# Allegro board 1140022-KU060_PCIE_FIBER_BOARD_V001_pcb166_20240120_1835_pcb.brd (continued)
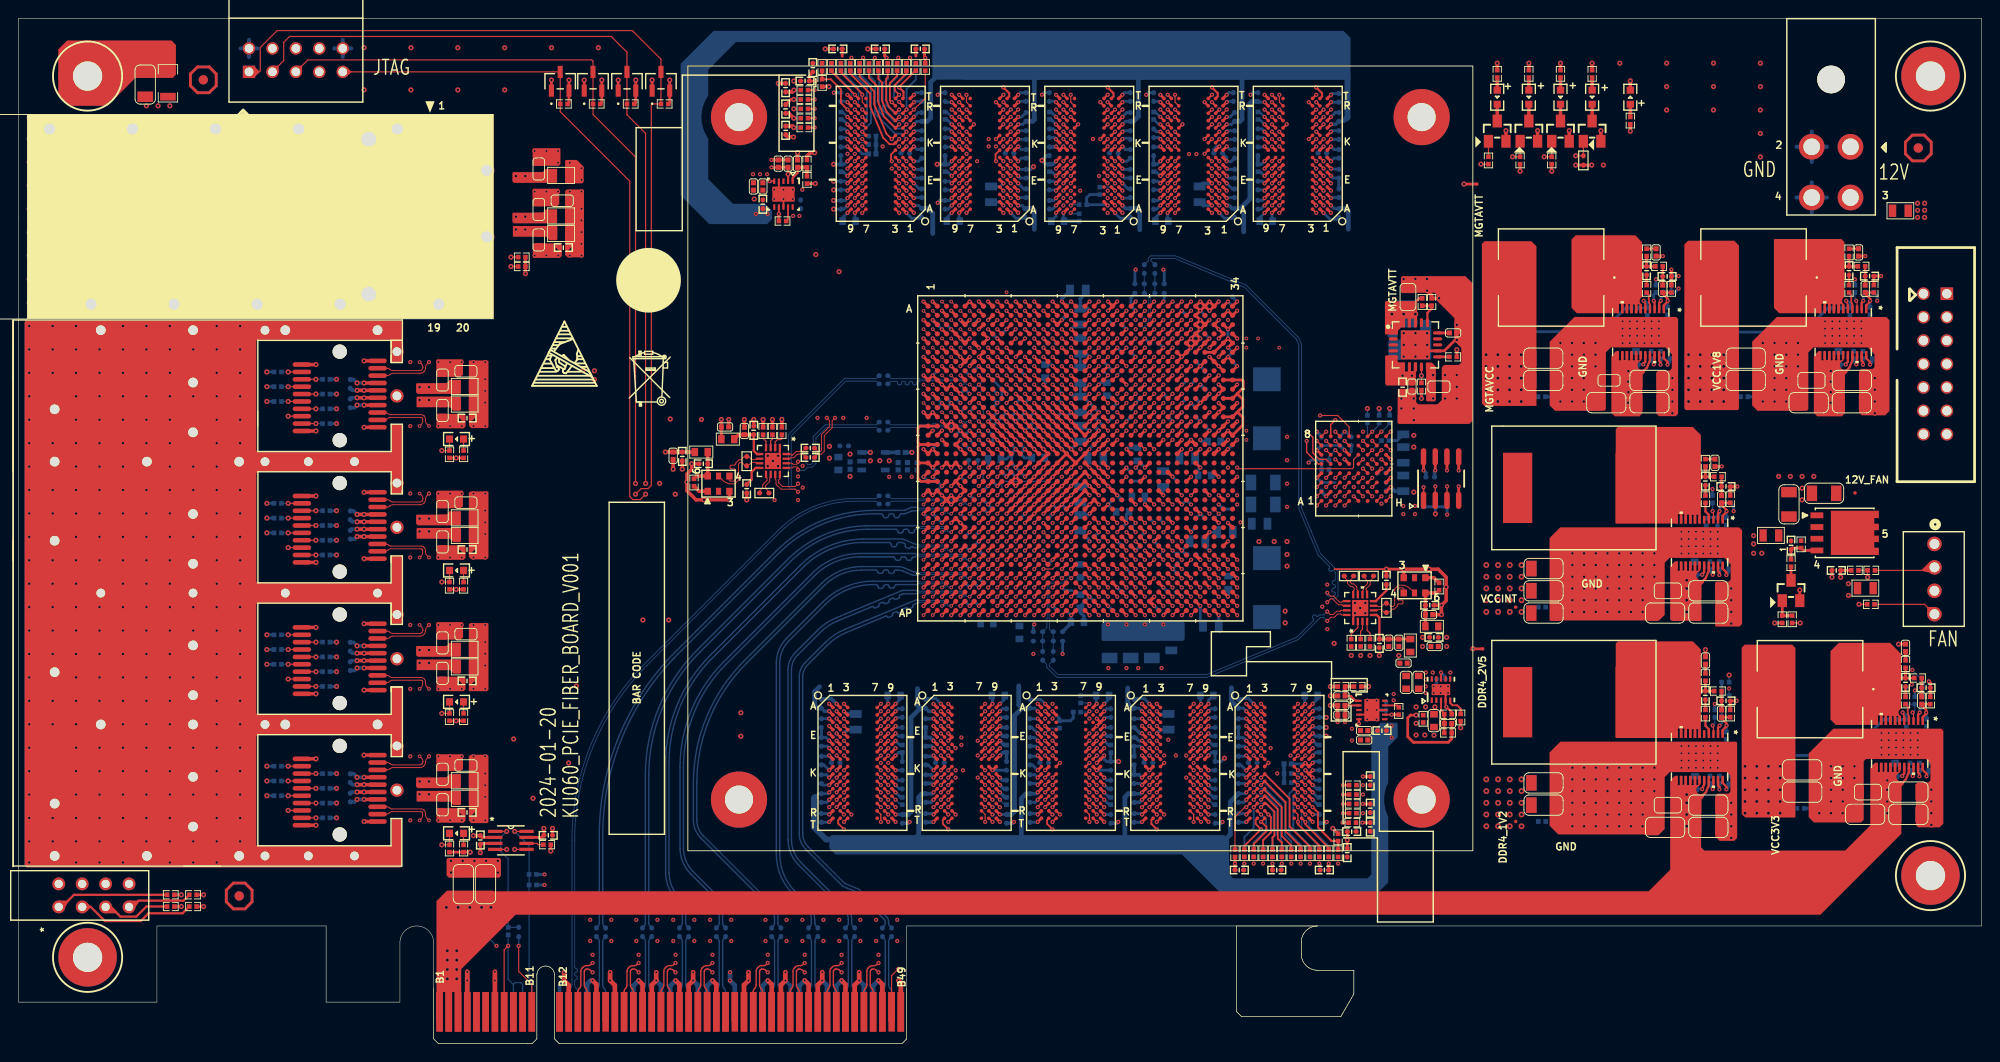
[diagram p0: board, top side]
## Routing (per net, layer and track width the routed paths; a pad name or vN(x,y) marks a point on that pad's centre or on a via; arc(x,y) is an arc through that point) (continued)
CHA_FPGA_DDR4_C2_D57: length 21.2
  TOP w0.201: U1.B11 v1(108.11,79.45) ; U13.B8 v1(101.97,90.87)
  ART05 w0.137: v1(108.11,79.45) 108.45,79.45 108.58,79.59 108.58,83.01 108.41,83.18 108.22,83.18 107.94,82.9 107.75,82.9 107.55,83.1 107.55,83.29 107.83,83.57 107.83,83.76 107.64,83.96 107.44,83.96 107.17,83.68 106.95,83.68 106.67,83.96 106.67,84.16 106.94,84.43 106.94,84.62 106.75,84.82 106.55,84.82 106.28,84.54 106.08,84.54 103.89,86.74 103.89,89.96 103.75,90.1 103.36,90.1 103.23,90.24 103.23,90.51 103.36,90.65 103.75,90.65 103.89,90.79 103.89,91.06 103.67,91.27 102.4,91.27 102,90.87 v1(101.97,90.87)
CHA_FPGA_DDR4_C2_D58: length 21.3
  TOP w0.201: U1.C12 v1(109.11,78.45) ; U13.C3 v1(106.77,91.67)
  ART05 w0.137: v1(106.77,91.67) 106.17,91.07 106.17,89.66 106.9,88.94 107.09,88.94 107.24,89.09 107.43,89.09 107.63,88.89 107.63,88.7 107.48,88.55 107.48,88.36 107.67,88.16 107.87,88.16 108.02,88.31 108.21,88.31 108.4,88.12 108.4,87.92 108.25,87.77 108.25,87.58 108.45,87.39 108.64,87.39 108.79,87.53 108.99,87.53 109.18,87.34 109.18,87.15 109.03,87 109.03,86.8 109.22,86.61 109.42,86.61 109.57,86.76 109.76,86.76 109.96,86.56 109.96,86.37 109.81,86.22 109.81,86.03 110,85.83 110.19,85.83 110.34,85.98 110.54,85.98 110.73,85.79 110.73,85.59 110.58,85.45 110.58,85.25 111.15,84.68 111.15,80.29 110.62,79.76 110.62,79.25 110.36,78.99 109.86,78.99 109.31,78.45 v1(109.11,78.45)
CHA_FPGA_DDR4_C2_D59: length 20.3
  TOP w0.201: U1.A12 v1(109.11,80.45) ; U13.C7 v1(102.77,91.67)
  ART05 w0.137: v1(109.11,80.45) 109.11,83.09 108.52,83.68 108.52,83.87 108.89,84.24 108.89,84.43 108.7,84.62 108.5,84.62 108.14,84.26 107.94,84.26 107.6,84.6 107.6,84.8 107.89,85.09 107.89,85.28 107.69,85.48 107.5,85.48 107.21,85.19 107.02,85.19 106.82,85.38 106.82,85.57 107.11,85.86 107.11,86.06 106.92,86.25 106.72,86.25 105.95,85.48 105.76,85.48 104.32,86.92 104.32,91.53 104.18,91.67 v1(102.77,91.67)
CHA_FPGA_DDR4_C2_D60: length 22.3
  TOP w0.127: U1.D13 v1(110.11,77.45)
  TOP w0.201: U13.C2 v1(107.57,91.67)
  ART05 w0.137: v1(110.11,77.45) 110.11,77.47 111,78.36 111.35,78.36 111.94,78.94 112.34,78.94 112.61,79.21 112.61,81.35 112.75,81.49 112.92,81.49 113.06,81.62 113.06,81.9 112.92,82.03 112.75,82.03 112.61,82.17 112.61,82.45 112.75,82.58 112.92,82.58 113.06,82.72 113.06,82.99 112.92,83.13 112.75,83.13 112.61,83.27 112.61,83.99 110.31,89.55 109.94,89.92 109.74,89.92 109.02,89.19 108.83,89.19 108.63,89.39 108.63,89.58 109.36,90.31 109.36,90.5 108.58,91.27 108.07,91.27 107.67,91.67 v1(107.57,91.67)
CHA_FPGA_DDR4_C2_D61: length 20.6
  TOP w0.201: v1(109.11,79.45) U1.B12 ; U13.C8 v1(101.97,91.67)
  ART05 w0.137: v1(101.97,91.67) 102.37,92.07 104.47,92.07 104.74,91.8 104.74,87.1 105.73,86.11 105.93,86.11 106.53,86.72 107.21,86.72 109.6,84.33 109.6,80.14 109.11,79.64 v1(109.11,79.45)
CHA_FPGA_DDR4_C2_D62: length 21.9
  TOP w0.201: U1.C11 v1(108.11,78.45) ; U13.D3 v1(106.77,92.47)
  ART05 w0.137: v1(108.11,78.45) 108.24,78.45 108.79,78.99 109.35,78.99 109.6,79.25 109.6,79.63 109.91,79.93 110.29,79.93 110.67,80.31 110.67,84.51 106.93,88.24 106.73,88.24 106.15,87.66 105.96,87.66 105.77,87.86 105.77,88.05 106.35,88.63 106.35,88.83 105.69,89.48 105.69,92.33 105.83,92.47 v1(106.77,92.47)
CHA_FPGA_DDR4_C2_D63: length 18.9
  TOP w0.201: U13.D7 v1(102.77,92.47) ; U1.A13 v1(110.11,80.45)
  ART05 w0.137: v1(110.11,80.45) 110.17,80.52 110.17,84.37 107.39,87.15 106.3,87.15 105.99,86.84 105.8,86.84 105.21,87.43 105.21,91.92 104.66,92.47 v1(102.77,92.47)
CHA_FPGA_DDR4_C2_D64: length 58.6
  TOP w0.201: U1.E20 v1(118.11,76.45) ; U12.G2 v1(118.87,94.87)
  ART03 w0.137: v1(118.11,76.45) 118.11,76.82 117.97,76.96 115.8,76.96 115.57,77.19 115.57,77.52 115.42,77.67 114.76,77.67 114.63,77.55 114.63,77.19 114.4,76.96 110.87,76.96 110.64,77.19 110.64,77.65 110.36,77.93 109.88,77.93 109.65,78.16 109.65,78.56 109.3,78.92 108.89,78.92 108.58,79.22 108.58,81.08 115.32,87.81 120.8,87.81 122.83,89.84 122.83,91.16 122.7,91.3 120.46,91.3 120.32,91.44 120.32,91.71 120.46,91.85 122.7,91.85 122.83,91.99 122.83,92.26 122.7,92.4 120.38,92.4 120.24,92.54 120.24,92.81 120.38,92.95 122.7,92.95 122.83,93.08 122.83,93.41 122.7,93.55 120.41,93.55 120.27,93.69 120.27,93.96 120.41,94.1 122.7,94.1 122.83,94.24 122.83,94.5 122.7,94.64 121,94.64 120.87,94.78 120.87,95.57 120.73,95.71 120.46,95.71 120.32,95.57 120.32,94.61 120.18,94.47 119.47,94.47 119.07,94.87 v1(118.87,94.87)
CHA_FPGA_DDR4_C2_D65: length 58.7
  TOP w0.201: U1.H21 v1(119.11,73.45) ; U12.F7 v1(114.07,94.07)
  ART03 w0.137: v1(114.07,94.07) 113.86,94.07 113.46,93.67 111.66,93.67 109.45,91.47 109.45,90.53 108.08,89.15 107.88,89.15 107.82,89.21 107.63,89.21 107.44,89.02 107.44,88.82 108.56,87.7 108.56,87.5 108.36,87.31 108.17,87.31 106.68,88.8 106.48,88.8 106.29,88.61 106.29,88.42 107.76,86.95 107.76,86.75 107.56,86.56 107.37,86.56 105.92,88 105.73,88 105.54,87.81 105.54,87.61 106.98,86.17 106.98,85.98 106.79,85.79 106.6,85.79 105.42,86.96 105.23,86.96 105.03,86.77 105.03,86.58 106.21,85.4 106.21,85.2 103.05,82.04 103.05,81.15 103.61,80.59 103.61,80.19 103.81,79.98 104.32,79.98 104.62,79.68 104.62,78.21 104.83,78 105.18,78 105.59,77.6 105.59,76.07 105.74,75.92 106.4,75.92 106.6,75.72 106.6,74.22 106.86,73.96 107.42,73.96 107.62,73.76 107.62,73.3 107.92,73 108.38,73 108.58,72.8 108.58,72.31 108.94,71.96 114.48,71.96 114.63,72.11 114.63,72.49 114.76,72.62 115.53,72.62 115.67,72.48 115.67,72.19 115.9,71.96 118.24,71.96 118.62,72.34 118.62,72.9 119.11,73.39 v1(119.11,73.45)
CHA_FPGA_DDR4_C2_D66: length 58.8
  TOP w0.201: U12.H3 v1(118.07,95.67) ; U1.E21 v1(119.11,76.45)
  ART03 w0.137: v1(119.11,76.45) 119.55,76.45 119.68,76.59 119.68,77.43 119.55,77.57 118.75,77.57 118.57,77.39 118.57,76.17 118.34,75.95 115.48,75.95 115.35,76.08 115.35,76.75 115.21,76.89 114.93,76.89 114.8,76.75 114.8,76.06 114.66,75.92 110.85,75.92 110.59,76.17 110.59,76.73 110.39,76.94 109.79,76.94 109.65,77.07 109.65,77.62 109.27,78 108.81,78 108.64,78.18 108.64,78.59 108.25,78.97 107.92,78.97 107.65,79.25 107.65,80.77 107.93,81.06 107.93,81.25 107.83,81.35 107.83,81.54 108.03,81.74 108.22,81.74 108.32,81.64 108.51,81.64 115.11,88.24 117.35,88.24 117.48,88.38 117.48,88.46 117.62,88.6 117.9,88.6 118.03,88.46 118.03,88.38 118.17,88.24 118.44,88.24 118.58,88.38 118.58,89.5 118.72,89.64 118.97,89.64 119.13,89.47 119.13,88.38 119.27,88.24 119.54,88.24 119.68,88.38 119.68,89.27 119.82,89.41 120.09,89.41 120.23,89.27 120.23,88.38 120.37,88.24 120.62,88.24 120.8,88.42 120.8,89.07 120.94,89.21 121.63,89.21 121.77,89.35 121.77,89.68 121.63,89.81 120.23,89.81 120.09,89.95 120.09,90.17 120.23,90.31 122.37,90.31 122.5,90.44 122.5,90.72 122.37,90.86 120.25,90.86 119.84,91.27 119.41,91.27 119.27,91.41 119.27,92.73 119.12,92.87 118.61,92.87 118.47,93.01 118.47,95.27 118.07,95.67 v1(118.07,95.67)
CHA_FPGA_DDR4_C2_D67: length 57.3
  TOP w0.201: U12.H7 v1(114.07,95.67) ; U1.F22 v1(120.11,75.45)
  ART03 w0.137: v1(120.11,75.45) 119.77,75.45 119.63,75.31 119.63,74.79 119.77,74.65 120,74.65 120.14,74.51 120.14,74.24 120,74.1 119.77,74.1 119.63,73.97 119.63,72.26 119.1,71.73 118.49,71.73 117.63,70.87 115.56,70.87 115.42,71 115.42,71.64 115.29,71.78 115.01,71.78 114.88,71.64 114.88,71 114.74,70.87 108.81,70.87 108.61,71.07 108.61,71.85 108.47,71.98 107.95,71.98 107.62,72.31 107.62,72.79 107.48,72.92 106.83,72.92 106.6,73.15 106.6,73.76 106.43,73.94 105.87,73.94 105.64,74.17 105.64,75.56 105.28,75.92 104.93,75.92 104.65,76.2 104.65,76.23 104.51,76.37 104.33,76.37 104.19,76.51 104.19,76.78 104.33,76.92 104.51,76.92 104.65,77.05 104.65,77.67 104.29,78.03 103.8,78.03 103.59,78.23 103.59,79.77 103.38,79.98 102.82,79.98 102.62,80.19 102.62,82.22 105.58,85.18 105.58,85.37 104.4,86.55 104.4,86.75 104.98,87.33 104.98,87.52 104.9,87.61 104.9,87.8 105.36,88.27 105.36,88.46 105.22,88.6 105.22,88.79 105.42,88.98 105.61,88.98 105.75,88.85 105.94,88.85 106.14,89.04 106.14,89.24 106,89.37 106,89.57 106.19,89.76 106.39,89.76 106.64,89.5 106.84,89.5 107.17,89.83 107.17,91.13 107.31,91.27 108.64,91.27 111.85,94.47 113.51,94.47 113.67,94.63 113.67,95.27 v1(114.07,95.67)
CHA_FPGA_DDR4_C2_D68: length 54.5
  TOP w0.201: U1.F24 v1(122.11,75.45) ; U12.H2 v1(118.87,95.67)
  ART03 w0.137: v1(122.11,75.45) 122.11,75.76 121.64,76.23 121.64,77.67 121.34,77.98 111.12,77.98 110.62,78.49 110.62,78.61 110.36,78.87 109.86,78.87 109.6,79.12 109.6,81.48 115.49,87.38 120.98,87.38 123.29,89.69 123.29,94.83 123.08,95.04 121.65,95.04 121.51,95.18 121.51,95.45 121.65,95.59 123.08,95.59 123.22,95.73 123.22,96 123.08,96.14 121.26,96.14 121.11,96.29 121.11,96.67 120.96,96.82 120.59,96.82 120.46,96.69 120.46,96.23 120.32,96.09 120.04,96.09 119.91,96.23 119.91,96.69 119.77,96.82 119.5,96.82 119.36,96.69 119.36,96.23 119.22,96.09 118.95,96.09 118.81,96.23 118.81,96.69 118.67,96.82 118.39,96.82 118.26,96.69 118.26,96.17 118.76,95.67 v1(118.87,95.67)
CHA_FPGA_DDR4_C2_D69: length 58.2
  TOP w0.201: U1.G22 v1(120.11,73.45) ; U12.H8 v1(113.27,95.67)
  ART03 w0.137: v1(113.27,95.67) 112.87,95.27 112.06,95.27 108.86,92.07 106.5,92.07 106.3,91.87 106.3,90.45 106.12,90.27 105.93,90.27 105.87,90.33 105.67,90.33 105.48,90.14 105.48,89.94 105.54,89.88 105.54,89.69 104.9,89.05 104.74,88.68 104.74,88.31 104.39,87.96 104.26,87.64 104.26,87.22 103.79,86.74 103.79,86.55 104.94,85.4 104.94,85.2 104.76,85.02 104.54,85.02 103.77,85.79 103.57,85.79 103.38,85.6 103.38,85.41 104.13,84.66 104.13,84.47 103.93,84.27 103.74,84.27 103.25,84.76 103.05,84.76 102.86,84.57 102.86,84.38 103.35,83.88 103.35,83.69 103.16,83.5 102.96,83.5 102.81,83.64 102.62,83.64 102.42,83.45 102.42,83.26 102.57,83.11 102.57,82.91 102.18,82.52 102.18,80.21 101.6,79.63 101.6,79.1 101.8,78.89 102.54,78.89 102.69,78.74 102.69,78.11 102.84,77.95 103.33,77.95 103.61,77.67 103.61,76.23 103.86,75.97 104.19,75.97 104.6,75.56 104.6,74.19 104.83,73.96 105.31,73.96 105.59,73.69 105.59,73.13 105.79,72.92 106.32,72.92 106.6,72.64 106.6,72.21 106.88,71.93 107.39,71.93 107.62,71.7 107.62,71.3 107.95,70.97 108.33,70.97 108.61,70.69 108.61,70.28 108.92,69.98 117.35,69.98 118.64,71.27 119.13,71.27 120.29,72.44 120.29,73.27 v1(120.11,73.45)
CHA_FPGA_DDR4_C2_D70: length 58.2
  TOP w0.201: U1.G21 v1(119.11,74.45) ; U12.J3 v1(118.07,97.27)
  ART03 w0.137: v1(119.11,74.45) 119.11,74.23 118.62,73.74 118.62,73.28 118.36,73.03 108.81,73.03 108.61,73.23 108.61,73.69 108.36,73.94 107.98,73.94 107.67,74.24 107.67,75.69 106.58,76.78 106.58,77.57 106.2,77.95 105.84,77.95 105.64,78.16 105.64,78.61 105.22,79.03 105.22,79.62 104.65,80.19 104.65,80.84 104.51,80.97 103.77,80.97 103.63,81.11 103.63,81.38 103.77,81.52 104.51,81.52 104.65,81.66 104.65,81.93 104.51,82.07 104.28,82.07 104.14,82.21 104.14,82.48 104.28,82.62 104.51,82.62 104.65,82.76 104.65,82.93 109.22,87.5 109.22,87.7 108.83,88.09 108.83,88.28 109.02,88.48 109.22,88.48 109.61,88.09 109.8,88.09 110,88.28 110,88.47 109.7,88.77 109.7,88.97 109.94,89.22 110.14,89.22 110.4,88.95 111.23,88.95 111.43,89.15 111.43,89.49 111.29,89.63 110.02,89.63 109.88,89.77 109.88,90.04 110.02,90.18 111.29,90.18 111.43,90.31 111.43,90.67 111.29,90.81 110.08,90.81 109.94,90.94 109.94,91.33 111.48,92.87 113.47,92.87 113.67,93.07 113.67,93.45 113.89,93.67 114.34,93.67 114.48,93.81 114.48,95.94 114.34,96.08 114.23,96.08 114.1,96.22 114.1,96.49 114.23,96.63 114.34,96.63 114.48,96.76 114.48,97.13 114.62,97.27 v1(118.07,97.27)
CHA_FPGA_DDR4_C2_D71: length 56.3
  TOP w0.201: U12.J7 v1(114.07,97.27) ; U1.F23 v1(121.11,75.45)
  ART03 w0.137: v1(121.11,75.45) 120.76,74.84 120.72,74.75 120.65,74.53 120.65,71.87 120.54,71.29 120.28,71.04 119.9,71 119.17,70.93 118.91,70.82 118.86,70.78 117.62,69.76 117.6,69.75 117.36,69.58 116.42,69.09 116.03,68.99 109.18,68.99 108.91,69.07 108.81,69.13 108.73,69.23 108.6,69.54 108.44,69.72 108.32,69.84 107.84,70.1 107.58,70.49 107.5,70.68 107.27,70.91 106.91,71.06 106.78,71.15 105.79,72.14 105.65,72.35 105.55,72.6 105.22,72.92 104.89,73.06 104.62,73.33 104.46,73.72 104.32,73.86 103.93,74.03 103.75,74.2 103.72,74.28 103.7,74.39 103.62,75.19 103.54,75.57 103.47,75.76 103.31,75.91 102.85,76.1 102.75,76.21 102.57,76.47 102.5,76.65 102.31,76.83 102.13,76.95 101.8,77.09 101.68,77.21 101.63,77.32 101.59,77.56 101.59,78.1 101.56,78.35 101.5,78.69 101.32,78.86 100.96,79.02 100.69,79.28 100.69,79.66 100.86,79.83 101.34,80.03 101.45,80.14 101.56,80.41 101.56,82.1 102.11,83.92 103.63,87.59 104.89,89.95 106.31,92.59 106.59,92.87 108.53,92.87 109.25,93.36 109.54,93.59 111.11,94.88 112.24,96 112.49,96.11 112.69,96.11 113.43,96.42 113.93,96.92 v1(114.07,97.27)
CHA_FPGA_DDR4_C2_DM0: length 29.2
  TOP w0.201: U9.E7 v1(125.38,93.27) ; v1(111.11,79.45) U1.B14
  ART03 w0.137: v1(111.11,79.45) 110.95,79.61 110.95,79.98 112.12,81.16 112.47,81.16 112.67,81.35 112.67,81.54 112.06,82.15 112.06,82.34 112.27,82.55 112.46,82.55 112.66,82.35 112.85,82.35 113.05,82.54 113.05,82.74 112.85,82.94 112.85,83.13 113.04,83.32 113.24,83.32 113.44,83.13 113.63,83.13 113.82,83.32 113.82,83.51 113.62,83.71 113.62,83.91 113.82,84.1 114.01,84.1 114.21,83.9 114.41,83.9 114.6,84.1 114.6,84.29 114.4,84.49 114.4,84.68 114.6,84.88 114.79,84.88 114.99,84.68 115.18,84.68 115.48,84.97 115.48,85.17 115.28,85.37 115.28,85.56 115.47,85.75 115.67,85.75 115.87,85.56 116.06,85.56 116.26,85.75 116.65,85.75 116.79,85.89 116.79,86.1 116.92,86.23 117.2,86.23 117.34,86.1 117.34,85.89 117.47,85.75 117.75,85.75 117.88,85.89 117.88,86.1 118.02,86.23 121.54,86.23 124.98,89.67 124.98,92.87 v1(125.38,93.27)
CHA_FPGA_DDR4_C2_DM1: length 31.5
  TOP w0.201: U1.D14 v1(111.11,77.45) ; U9.E2 v1(130.18,93.27)
  ART12 w0.137: v1(111.11,77.45) 110.62,78.64 110.62,81.33 110.87,81.59 111.07,81.59 111.2,81.45 111.4,81.45 111.59,81.64 111.59,81.84 111.45,81.97 111.45,82.17 118.67,89.38 118.9,89.38 119.27,89.76 119.27,90.29 119.46,90.47 119.86,90.47 120.22,90.83 120.42,91.31 123.54,94.43 123.64,94.47 126.02,94.47 129.21,93.67 129.52,93.67 129.63,93.64 v1(130.18,93.27)
CHA_FPGA_DDR4_C2_DM2: length 44.3
  TOP w0.201: U10.E7 v1(136.68,93.27) ; U1.G17 v1(114.11,74.45)
  ART05 w0.137: v1(114.11,74.45) 114.71,74.45 115.57,75.31 115.57,77.6 115.95,77.98 117.46,77.98 117.6,78.12 117.6,83.01 120.04,85.45 130.08,85.45 137.01,88.32 137.15,88.46 137.15,88.65 137.03,88.78 137.03,88.97 137.22,89.17 137.42,89.17 137.54,89.04 137.73,89.04 137.9,89.2 137.9,89.79 137.76,89.93 137.25,89.93 137.11,90.07 137.11,90.34 137.25,90.48 137.76,90.48 137.9,90.61 137.9,90.89 137.76,91.03 137.25,91.03 137.11,91.16 137.11,91.44 137.25,91.57 137.76,91.57 137.9,91.71 137.9,91.99 137.76,92.12 137.25,92.12 137.11,92.26 137.11,92.53 137.25,92.67 137.76,92.67 137.9,92.81 137.9,93.13 137.76,93.27 v1(136.68,93.27)
CHA_FPGA_DDR4_C2_DM3: length 44.2
  TOP w0.201: U1.J15 v1(112.11,72.45) ; U10.E2 v1(141.48,93.27)
  ART10 w0.137: v1(112.11,72.45) 112.11,72.46 112.8,73.76 112.93,73.89 113.61,75.55 113.61,82.98 122.07,91.44 123.6,92.07 131.13,92.07 133.06,92.87 136.97,92.87 137.24,92.61 140.08,92.61 140.34,92.87 140.88,92.87 v1(141.48,93.27)
CHA_FPGA_DDR4_C2_DM4: length 29.8
  TOP w0.201: U1.F8 v1(105.11,75.45) ; U11.E7 v1(91.47,93.27)
  ART12 w0.137: v1(105.11,75.45) 104.54,76.02 101.9,76.02 101.6,76.33 101.6,80.76 101.44,80.92 101.13,81.04 101.06,81.22 101.26,81.72 101.19,81.9 100.93,82.01 100.76,81.93 100.57,81.49 100.39,81.41 99.99,81.58 99.92,81.76 99.98,81.92 99.91,82.09 99.65,82.2 99.47,82.13 99.41,81.98 99.23,81.9 98.98,82.01 98.91,82.19 98.97,82.34 98.89,82.51 98.64,82.62 98.46,82.55 98.43,82.47 98.25,82.4 97.6,82.67 91.07,89.2 91.07,92.77 91.47,93.17 v1(91.47,93.27)
CHA_FPGA_DDR4_C2_DM5: length 34.8
  TOP w0.201: U11.E2 v1(96.27,93.27) ; U1.L8 v1(105.11,70.45)
  ART05 w0.137: v1(96.27,93.27) 96.67,92.87 97.5,92.87 97.69,92.68 97.69,88.56 100.25,82.38 100.83,81.8 105.4,81.8 106.58,80.62 106.58,77.17 108.53,75.21 108.53,71.25 108.28,70.99 105.49,70.99 105.11,70.62 v1(105.11,70.45)
CHA_FPGA_DDR4_C2_DM6: length 31.9
  TOP w0.201: U1.H11 v1(108.11,73.45) ; U13.E7 v1(102.77,93.27)
  ART10 w0.137: v1(102.77,93.27) 103.6,93.27 103.73,93.13 103.73,92.86 103.6,92.72 103.31,92.72 103.17,92.58 103.17,92.31 103.31,92.17 103.6,92.17 103.73,92.04 103.73,91.76 103.6,91.62 103.31,91.62 103.17,91.49 103.17,91.21 103.31,91.08 103.6,91.08 103.73,90.94 103.73,90.66 103.6,90.53 103.31,90.53 103.17,90.39 103.17,90.12 103.31,89.98 103.6,89.98 103.73,89.84 103.73,87.71 103.92,87.52 103.92,87.32 103.65,87.05 103.65,86.85 103.84,86.66 104.04,86.66 104.27,86.9 104.47,86.9 104.66,86.7 104.66,86.51 104.36,86.21 104.36,86.01 104.56,85.82 104.75,85.82 105.05,86.12 105.24,86.12 105.44,85.92 105.44,85.73 105.14,85.43 105.14,85.24 105.33,85.04 105.53,85.04 105.83,85.34 106.02,85.34 106.21,85.15 106.21,84.95 105.91,84.65 105.91,84.46 106.11,84.27 106.3,84.27 106.6,84.57 106.8,84.57 106.99,84.37 106.99,84.18 106.69,83.88 106.69,83.68 106.88,83.49 107.08,83.49 107.38,83.79 107.57,83.79 108.18,83.19 108.18,81.23 107.65,80.7 107.65,74.24 108.11,73.78 v1(108.11,73.45)
CHA_FPGA_DDR4_C2_DM7: length 23.2
  TOP w0.201: U13.E2 v1(107.57,93.27) ; U1.E11 v1(109.11,76.45)
  ART05 w0.137: v1(109.11,76.45) 110.06,76.96 111.03,76.96 111.41,77.12 111.63,77.34 111.63,77.62 111.99,77.98 112.29,77.98 112.65,78.33 112.65,78.66 112.98,78.99 113.28,78.99 113.61,79.32 113.61,82.88 110.69,89.92 108.54,92.07 108.21,92.07 107.97,92.31 107.97,92.63 107.92,92.74 v1(107.57,93.27)
CHA_FPGA_DDR4_C2_DM8: length 57.5
  TOP w0.201: U12.E7 v1(114.07,93.27) ; U1.G24 v1(122.11,74.45)
  ART03 w0.137: v1(122.11,74.45) 121.67,74.89 121.67,75.69 121.41,75.95 119,75.95 118.62,75.56 118.62,74.3 118.24,73.91 115.21,73.91 115.07,73.78 115.07,73.59 114.94,73.46 114.66,73.46 114.53,73.59 114.53,73.78 114.39,73.91 111.35,73.91 111.21,73.78 111.21,73.59 111.07,73.46 110.8,73.46 110.66,73.59 110.66,73.78 110.52,73.91 108.94,73.91 108.66,74.19 108.66,75.06 107.67,76.05 107.67,77.52 107.31,77.88 106.85,77.88 106.57,78.16 106.57,78.6 106.25,78.92 105.87,78.92 105.54,79.25 105.54,80.94 105.4,81.08 105.17,81.08 105.03,81.21 105.03,81.49 105.17,81.63 105.4,81.63 105.54,81.76 105.54,82.04 105.4,82.18 105.17,82.18 105.03,82.31 105.03,82.59 105.17,82.72 105.4,82.72 105.54,82.86 105.54,83.21 105.72,83.39 105.91,83.39 106.02,83.28 106.22,83.28 106.41,83.48 106.41,83.67 106.3,83.78 106.3,83.97 106.49,84.17 106.69,84.17 106.8,84.06 106.99,84.06 107.19,84.25 107.19,84.45 107.08,84.56 107.08,84.75 108.72,86.39 108.91,86.39 109.01,86.29 109.2,86.29 109.4,86.49 109.4,86.68 109.35,86.73 109.35,87.02 110.69,88.37 110.96,88.37 111.85,87.48 112.04,87.48 112.27,87.71 112.27,87.9 111.6,88.57 111.6,88.76 111.79,88.96 111.99,88.96 112.66,88.29 112.85,88.29 113.03,88.47 113.03,88.66 112.49,89.21 112.49,89.4 112.68,89.59 112.88,89.59 113.15,89.32 113.4,89.32 113.67,89.59 113.67,90.24 113.44,90.47 112.13,90.47 111.99,90.61 111.99,91.09 111.85,91.23 110.93,91.23 110.79,91.37 110.79,91.64 110.93,91.78 111.85,91.78 111.99,91.92 111.99,91.97 112.09,92.07 114.42,92.07 114.55,92.21 114.55,92.84 114.12,93.27 v1(114.07,93.27)
CHA_FPGA_DDR4_C2_DQS0_N: length 26.8
  TOP w0.145: v1(129.38,94.07) U9.F3 ; v1(117.11,79.45) U1.B19
  ART03 w0.102: 116.77,80.82 116.77,80.79 116.71,80.73 116.71,79.21 116.86,79.05 117.01,79.05 117.11,79.15 v1(117.11,79.45)
  ART03 w0.14: 116.77,80.82 116.77,81.01 117.58,81.82 122.68,81.82 123.83,82.96 124.42,82.96 126.24,84.78 126.24,85.08 126.7,85.54 127,85.54 127.49,86.03 127.49,86.34 127.95,86.8 128.26,86.8 128.91,87.45 128.91,88.81 129.04,88.95 129.17,88.95 129.31,89.09 129.31,89.37 129.17,89.51 129.04,89.51 128.91,89.65 128.91,94.13 129.04,94.26 129.18,94.26 v1(129.38,94.07)
CHA_FPGA_DDR4_C2_DQS0_P: length 27.3
  TOP w0.145: v1(129.38,94.87) U9.G3 ; v1(117.11,78.45) U1.C19
  ART03 w0.102: v1(117.11,78.45) 117.11,78.75 117.01,78.85 116.78,78.85 116.51,79.12 116.51,80.73 116.45,80.79 116.45,80.82
  ART03 w0.14: 116.45,80.82 116.45,81.15 117.44,82.14 122.55,82.14 123.69,83.29 124.28,83.29 125.91,84.91 125.91,85.22 126.56,85.87 126.87,85.87 127.16,86.17 127.16,86.47 127.82,87.13 128.12,87.13 128.58,87.58 128.58,94.26 128.91,94.59 129.1,94.59 v1(129.38,94.87)
CHA_FPGA_DDR4_C2_DQS1_N: length 28.5
  TOP w0.145: U1.D18 v1(116.11,77.45)
  TOP w0.173: U9.A7 v1(125.38,90.07)
  ART12 w0.102: v1(116.11,77.45) 116.41,77.45 116.51,77.55 116.51,80.73 116.44,80.79 116.44,80.82
  ART12 w0.14: 116.44,80.82 116.44,82.01 120.31,85.87 125.93,85.87 126.61,86.55 126.61,86.75 126.22,87.14 126.22,87.61 126.8,88.2 127.27,88.2 127.66,87.81 127.86,87.81 128.3,88.24 128.3,90.09 128.08,90.31 127.68,90.31 127.54,90.17 127.54,89.95 127.4,89.81 127.12,89.81 126.98,89.95 126.98,90.17 126.84,90.31 126.56,90.31 126.42,90.17 126.42,89.93 126.28,89.79 126,89.79 125.86,89.93 125.86,90.17 125.72,90.31 125.52,90.31 125.38,90.17 v1(125.38,90.07)
CHA_FPGA_DDR4_C2_DQS1_P: length 27.6
  TOP w0.145: U1.D19 v1(117.11,77.45)
  TOP w0.173: U9.B7 v1(125.38,90.87)
  ART12 w0.102: 116.77,80.82 116.77,80.79 116.71,80.73 116.71,77.55 116.81,77.45 v1(117.11,77.45)
  ART12 w0.14: 116.77,80.82 116.77,81.87 120.45,85.55 126.07,85.55 126.93,86.42 126.93,86.88 126.54,87.28 126.54,87.47 126.94,87.87 127.14,87.87 127.53,87.48 128,87.48 128.62,88.1 128.62,90.22 128.21,90.64 125.61,90.64 v1(125.38,90.87)
CHA_FPGA_DDR4_C2_DQS2_N: length 44.3
  TOP w0.145: v1(117.11,75.45) U1.F19
  TOP w0.173: U10.F3 v1(140.68,94.07)
  ART05 w0.102: v1(117.11,75.45) 117.11,75.15 117.01,75.05 116.86,75.05 116.71,75.21 116.71,76.65 116.91,76.85 118.41,76.85 118.71,77.15 118.71,80.84 118.77,80.91 118.77,80.93
  ART05 w0.14: 118.77,80.93 118.77,82.56 120.64,84.43 130.22,84.43 137.73,87.54 138.91,88.73 138.91,89.29 139.05,89.43 139.8,89.43 140.13,89.76 140.13,90.58 139.78,90.93 139.13,90.93 138.99,91.07 138.99,91.62 139.13,91.76 139.8,91.76 140.13,92.1 140.13,92.91 139.78,93.26 139,93.26 138.86,93.4 138.86,94.17 139,94.31 140.44,94.31 v1(140.68,94.07)
CHA_FPGA_DDR4_C2_DQS2_P: length 45.6
  TOP w0.145: v1(117.11,74.45) U1.G19
  TOP w0.173: U10.G3 v1(140.68,94.87)
  ART05 w0.102: v1(117.11,74.45) 117.11,74.75 117.01,74.85 116.78,74.85 116.5,75.12 116.5,76.74 116.82,77.06 118.33,77.06 118.5,77.23 118.5,80.84 118.44,80.91 118.44,80.93
  ART05 w0.14: v1(140.68,94.87) 140.44,94.64 140.01,94.64 139.87,94.78 139.87,94.86 139.73,95 139.45,95 139.31,94.86 139.31,94.78 139.17,94.64 138.86,94.64 138.53,94.3 138.53,93.26 138.86,92.93 139.65,92.93 139.8,92.77 139.8,92.23 139.66,92.09 138.99,92.09 138.66,91.76 138.66,90.93 138.99,90.6 139.65,90.6 139.8,90.44 139.8,89.9 139.66,89.76 138.92,89.76 138.58,89.43 138.58,88.86 137.54,87.82 130.15,84.76 120.51,84.76 118.44,82.69 118.44,80.93
CHA_FPGA_DDR4_C2_DQS3_N: length 42.9
  TOP w0.145: U1.J18 v1(116.11,72.45)
  TOP w0.173: U10.A7 v1(136.68,90.07)
  ART10 w0.102: v1(116.11,72.45) 116.4,72.45 116.51,72.55 116.51,80.92 116.44,80.98 116.44,81
  ART10 w0.14: 116.44,81 116.44,82.62 122.17,88.34 132.16,88.34 132.33,88.51 132.33,88.9 132.66,89.23 133.49,89.23 133.82,88.9 133.82,88.48 133.96,88.34 134.52,88.34 134.66,88.48 134.66,89.28 134.99,89.61 135.82,89.61 136.15,89.28 136.15,88.51 136.32,88.34 136.88,88.34 137.35,88.82 137.35,89.01 137.06,89.31 137.06,89.51 137.25,89.71 137.45,89.71 137.75,89.41 137.95,89.41 138.2,89.66 138.2,90.09 137.98,90.31 136.92,90.31 v1(136.68,90.07)
CHA_FPGA_DDR4_C2_DQS3_P: length 42.3
  TOP w0.145: v1(117.11,72.45) U1.J19
  TOP w0.173: U10.B7 v1(136.68,90.87)
  ART10 w0.102: 116.77,81 116.77,80.98 116.71,80.92 116.71,72.55 116.81,72.45 v1(117.11,72.45)
  ART10 w0.14: v1(136.68,90.87) 136.92,90.64 138.12,90.64 138.53,90.22 138.53,89.53 137.02,88.01 136.19,88.01 135.83,88.37 135.83,89.14 135.69,89.28 135.13,89.28 134.99,89.14 134.99,88.35 134.66,88.01 133.83,88.01 133.49,88.35 133.49,88.76 133.35,88.9 132.8,88.9 132.66,88.76 132.66,88.37 132.3,88.01 122.3,88.01 116.77,82.48 116.77,81
CHA_FPGA_DDR4_C2_DQS4_N: length 25.7
  TOP w0.145: U11.F3 v1(95.47,94.07)
  TOP w0.173: U1.A10 v1(107.11,80.45)
  ART12 w0.14: v1(107.11,80.45) 106.98,80.57 106.98,80.87 106.58,81.28 106.58,81.69 102.17,86.1 98.84,87.48 98.76,87.66 99.13,88.55 98.95,88.98 98.18,89.3 97.75,89.12 97.38,88.23 97.2,88.15 96.36,88.5 96.19,88.67 96.19,88.87 96.55,89.23 96.55,89.43 96.35,89.62 96.16,89.62 95.8,89.26 95.6,89.26 94.87,89.99 94.87,94 95.08,94.21 95.33,94.21 v1(95.47,94.07)
CHA_FPGA_DDR4_C2_DQS4_P: length 26.2
  TOP w0.145: U1.B10 107.48,79.08 v1(107.11,79.45)
  TOP w0.173: U11.G3 v1(95.47,94.87)
  ART12 w0.14: v1(95.47,94.87) 95.13,94.53 94.94,94.53 94.54,94.13 94.54,89.86 96.2,88.2 96.23,88.2 97.2,87.8 97.63,87.98 98,88.87 98.18,88.94 98.7,88.73 98.78,88.55 98.41,87.66 98.59,87.23 101.98,85.82 106.25,81.55 106.25,81.14 106.6,80.79 106.6,79.96 v1(107.11,79.45)
CHA_FPGA_DDR4_C2_DQS5_N: length 33.8
  TOP w0.145: U1.J10 v1(107.11,72.45)
  TOP w0.173: U11.A7 v1(91.47,90.07)
  ART05 w0.102: v1(107.11,72.45) 107.11,72.19 107.21,72.09 107.39,72.09 107.5,72.2 107.5,72.71 107.36,72.85 97.52,72.85 97.46,72.79 97.43,72.79
  ART05 w0.14: v1(91.47,90.07) 91.7,90.31 91.9,90.31 92.15,90.06 92.15,83.77 92.18,83.74 95.08,76.73 95.51,76.55 96.04,76.77 96.23,76.69 96.44,76.17 96.37,75.99 95.84,75.77 95.66,75.34 96.44,73.45 97.1,72.79 97.43,72.79
CHA_FPGA_DDR4_C2_DQS5_P: length 34.8
  TOP w0.145: U1.K10 v1(107.11,71.45)
  TOP w0.173: U11.B7 v1(91.47,90.87)
  ART05 w0.102: v1(107.11,71.45) 107.11,71.75 107.24,71.88 107.47,71.88 107.71,72.12 107.71,72.79 107.45,73.05 97.52,73.05 97.46,73.12 97.43,73.12